# Altium PCB Gateway.PcbDoc (part 2 of 2)
Units mm, origin at the board's own origin, x right, y up, seen from the top; angles counter-clockwise.
Board outline 100.58 x 76.07 mm, 2 copper layers (Top Layer, Bottom Layer); 109 components, 95 nets, 478 pads, 157 vias.
Unrouted connection lines stored in the file: 31.
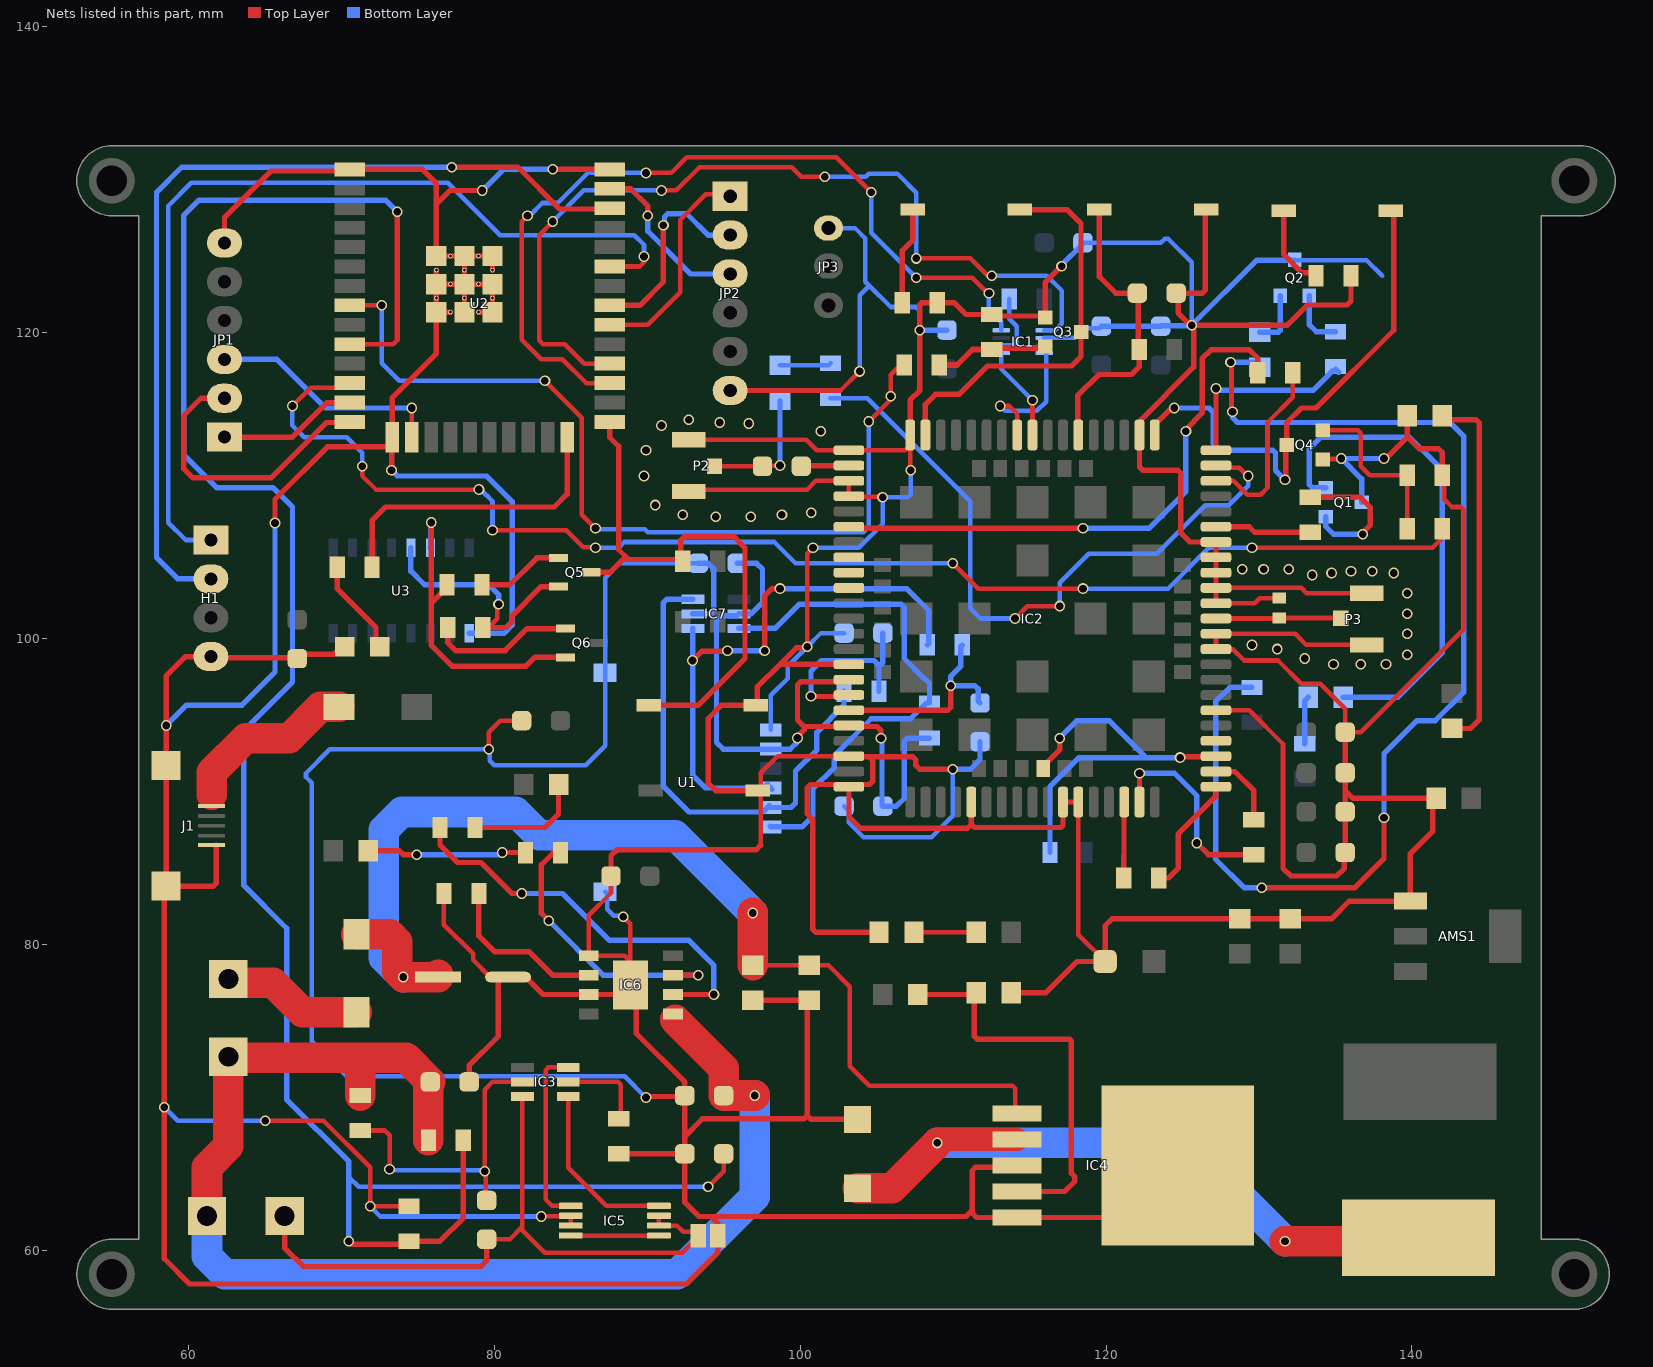
[diagram p2: the nets of this part, all layers, seen from the top]

## Via types
v1: diameter 0.7, hole 0.5, Top Layer to Bottom Layer, 157 vias

## Nets (pads, with @x,y where several pads share a name; then routed paths per layer and width w, separated by ;. In a path a pad name is that pad's centre, name@x,y a point inside that pad or via, vN(x,y) a via of type N, cw(c..) or ccw(c..) an arc to the next point about the centre after c; other vN are vias at no path point) (continued)
GND: AMS1.1 BOOT1.2 C1.1 C2.1 C3.1 C4.1 C5.1 C6.1 C7.1 C9.1 C10.2 C11.2 C12.2 C13.2 C14.2 C15.2 C16.2 C18.1 C19.1 C20.1 C24.1 C25.1 C26.2 C27.2 C28.2 C29.1 C30.2 C31.1 D3.1 EN1.2 H1.4 IC1.2 IC2.2 IC2.17 IC2.18 IC2.29 IC2.39 IC2.45 IC2.46 IC2.54 IC2.58 IC2.59 IC2.61 IC2.62 IC2.63 IC2.64 IC2.65 IC2.89 IC2.91 IC2.92 IC2.94 IC4.3 IC4.5 IC4.6 IC5.6 IC5.7 IC6.1 IC6.3 IC7.2 J1.5 J3.2 JP1.6 JP2.6 JP3.3 L.2 LED1.2 P2.2 P2.3 P3.2 P3.3 PW1.2 PW2.2 Q1.2 Q2.2 Q3.1 Q4.1 R11.1 R12.1 R13.1 R14.1 R26.1 R27.2 R29.1 R33.2 SW2.2 U1.5 U1.8 U2.1 U2.15 U2.38 U2.39_1 U2.39_2 U2.39_3 U2.39_4 U2.39_5 U2.39_6 U2.39_7 U2.39_8 U2.39_9 U2.39_10 U2.39_11 U2.39_12 U2.39_13 U2.39_14 U2.39_15 U2.39_16 U2.39_17 U2.39_18 U2.39_19 U2.39_20 U2.39_21 U3.1 | length 914.7
  Top Layer w0.3: v1(65.024,68.453) 68.834,68.453 71.882,65.405 v1(71.882,62.865) R29.1@74.422,62.865 ; R33.2@76.708,83.312 76.708,81.28 78.613,79.375 78.613,78.968 79.73,77.851 80.084,77.851 C16.2@80.899,77.851 ; v1(79.629,92.749) 79.629,93.853 80.391,94.615 C13.2@81.788,94.615 ; v1(83.071,62.195) 83.096,62.22 84.979,62.22 IC5.6@85.004,62.245 IC5.7@85.004,61.595 ; C28.2@87.63,84.455 87.63,83.344 86.175,81.889 IC6.1@86.175,79.248 88.519,79.248 IC6.3@88.9,78.867 ; v1(88.441,81.788) 88.9,81.329 IC6.3@88.9,78.867 ; IC6.3@88.9,77.343 IC6.3@88.9,78.867 ; v1(89.916,69.977) 89.98,70.04 92.392,70.04 C29.1@92.456,70.104 ; P2.3@92.705,112.989 100.399,112.989 101.092,112.296 IC2.89@103.19,112.296 ; P2.2@92.71,109.601 92.837,109.728 100.457,109.728 101.025,110.296 IC2.91@103.19,110.296 IC2.18@103.19,109.296 103.228,109.258 105.352,109.258 v1(105.39,109.22) ; JP2.6@95.425,116.205 102.638,116.205 v1(103.886,117.453) ; 97.412,86.474 97.431,86.474 97.431,89.838 EN1.2@97.226,90.043 97.431,90.248 97.431,91.208 98.519,92.296 IC2.92@103.19,92.296 ; v1@100.39,99.374 v1(100.457,99.441) 100.457,105.537 v1(100.838,105.918) ; IC2.89@103.056,112.43 IC2.89@103.19,112.296 ; v1(107.229,110.998) 107.209,111.017 107.209,113.253 107.178,113.284 107.178,112.606 106.868,112.296 IC2.89@103.19,112.296 ; IC2.46@118.19,89.296 118.19,80.616 C15.2@119.939,78.867 ; IC2.54@127.19,95.296 129.367,95.296 131.572,93.091 131.572,91.408 ; IC2.61@127.19,102.296 129.728,102.296 130.063,102.631 L.2@131.318,102.631 ; IC2.62@127.19,103.296 132.767,103.296 133.109,102.954 P3.2@137.036,102.954 ; IC2.63@127.19,104.296 IC2.63@127.269,104.217 ; P3.3@137.041,99.566 133.096,99.566 132.366,100.296 IC2.59@127.19,100.296 IC2.58@127.19,99.296 128.288,99.296 129.032,98.552 131.246,98.552 132.77,97.028 134.015,97.028 135.636,95.407 C3.1@135.636,93.868 136.667,93.868 143.383,100.584 143.383,108.409 143.207,108.585 142.621,108.585 142.113,109.093 142.113,110.539 R12.1@141.986,110.666
  Top Layer w0.35: J1.5@58.848,83.781 61.611,83.781 61.816,83.986 J1.5@61.816,86.461 ; JP1.6@62.357,125.857 62.859,125.857 62.357,126.359 62.357,127.508 65.405,130.556 70.443,130.556 U2.1@70.548,130.661 75.293,130.661 76.213,129.742 76.213,128.397 ; v1(65.659,107.542) 65.659,109.093 69.088,112.522 72.704,112.522 72.711,112.53 73.058,112.53 U2.15@73.306,112.778 ; LED1.2@69.977,99.428 69.517,98.968 67.487,98.968 67.183,98.664 67.112,98.735 61.539,98.735 H1.4@61.468,98.806 59.817,98.806 58.547,97.536 v1(58.547,94.296) J1.5@58.547,91.694 J1.5@58.547,83.794 58.42,83.667 v1(58.42,69.342) 58.42,59.436 60.071,57.785 92.568,57.785 94.615,59.832 J3.2@94.615,60.945 94.615,61.749 94.169,62.195 ; v1(73.279,110.998) 73.306,111.025 U2.15@73.306,112.778 ; U2.39_12@76.213,124.079 U2.39_4@76.213,123.161 ; U2.39_20@77.131,121.326 U2.39_7@76.213,121.326 ; U2.39_8@78.048,121.326 U2.39_18@78.048,122.244 U2.39_5@78.048,123.161 ; C18.1@78.359,70.993 78.359,72.078 80.264,73.983 80.264,77.671 C16.2@80.084,77.851 ; U2.39_21@78.966,121.326 U2.39_9@79.883,121.326 U2.39_19@79.883,122.244 U2.39_6@79.883,123.161 U2.39_16@78.966,123.161 U2.39_5@78.048,123.161 ; v1(79.216,129.286) 77.102,129.286 76.213,128.397 ; U2.39_14@79.883,124.079 U2.39_3@79.883,124.996 U2.39_11@78.966,124.996 U2.39_2@78.048,124.996 ; C16.2@80.899,77.851 82.049,77.851 83.192,76.708 IC6.3@86.175,76.708 88.265,76.708 IC6.3@88.9,77.343 89.281,76.962 89.281,74.168 92.456,70.993 C29.1@92.456,70.104 92.456,67.437 ; v1(83.82,130.661) U2.38@87.548,130.661 ; C28.2@87.63,84.455 87.63,85.786 88.011,86.167 97.106,86.167 97.412,86.474 ; R27.2@88.138,66.294 C24.1@92.456,66.294 ; P2.2@92.705,109.606 P2.2@92.71,109.601 ; C19.1@96.901,76.327 C20.1@100.584,76.327 100.457,76.2 100.457,68.798 ; EN1.2@97.226,90.043 94.488,90.043 93.98,90.551 93.98,94.742 94.869,95.631 BOOT1.2@97.099,95.631 97.184,95.631 97.184,96.803 98.677,98.296 ; v1@100.39,99.374 99.755,99.374 98.677,98.296 ; 102.551,62.195 94.169,62.195 ; 102.581,62.195 110.836,62.195 111.252,62.611 ; IC2.92@103.19,92.296 103.237,92.249 104.521,92.249 ; IC2.29@103.19,98.296 98.677,98.296 ; D3.1@103.759,68.544 100.711,68.544 100.457,68.798 ; PW1.2@105.156,80.772 101.046,80.772 100.818,80.999 100.818,88.167 100.472,88.513 100.472,90.233 100.677,90.438 102.78,90.438 103.056,90.162 IC2.94@103.19,90.296 ; IC2.17@107.178,113.284 IC2.17@107.19,113.296 107.19,115.572 107.823,116.205 v1(107.823,120.145) 107.823,121.817 107.941,121.935 R13.1@108.966,121.935 110.094,121.935 110.856,121.173 R11.1@112.522,121.173 112.619,121.077 115.918,121.077 Q3.1@116.015,120.98 116.015,123.254 v1(117.094,124.333) ; v1(109.982,91.44) 107.827,91.44 107.569,91.698 107.569,92.044 107.364,92.249 104.521,92.249 ; IC2.39@111.19,89.296 111.19,87.835 ; R26.1@113.792,76.835 116.075,76.835 118.107,78.867 C15.2@119.939,78.867 119.939,81.204 120.396,81.661 C25.1@128.736,81.661 C26.2@132.038,81.661 134.747,81.661 135.904,82.818 AMS1.1@139.902,82.818 139.902,85.927 141.351,87.376 141.351,89.281 C27.2@141.605,89.535 136.144,89.535 135.636,90.043 ; IC4.3@114.19,65.532 114.063,65.405 111.457,65.405 111.252,65.2 111.252,62.611 ; IC2.46@118.19,89.296 IC2.45@117.19,89.296 117.19,87.771 117.049,87.63 111.395,87.63 111.19,87.835 ; IC4.6@124.69,65.532 121.29,62.132 IC4.5@114.19,62.132 111.535,62.132 111.252,62.415 111.252,62.611 ; v1@125.73,120.269 125.73,117.729 122.19,114.189 IC2.2@122.19,113.296 122.19,111.203 122.395,110.998 124.683,110.998 124.888,110.793 124.888,106.887 125.479,106.296 IC2.65@127.19,106.296 IC2.64@127.19,105.296 IC2.63@127.19,104.296 IC2.62@127.19,103.296 IC2.61@127.19,102.296 ; SW2.2@126.563,128.031 126.492,127.96 126.492,122.775 126.287,122.57 C9.1@124.587,122.57 124.714,122.443 124.714,121.285 125.563,120.436 v1(125.603,120.475) 131.864,120.475 133.182,121.793 135.763,121.793 136.017,122.047 R14.1@136.017,123.698 ; 131.572,91.408 131.572,84.963 132.08,84.455 135.076,84.455 135.584,84.963 135.584,85.942 C5.1@135.636,85.994 C4.1@135.636,88.661 135.636,90.043 ; Q4.1@134.159,111.699 134.19,111.729 135.351,111.729 v1(135.382,111.76) ; C3.1@135.636,93.868 C2.1@135.636,91.201 135.636,90.043 ; P3.3@136.771,99.836 P3.3@137.041,99.566 ; P3.2@137.036,102.954 P3.2@137.091,102.899 ; v1(138.176,111.76) 138.303,111.76 139.7,113.157 ; PW2.2@139.7,114.554 139.7,113.157 ; R12.1@141.986,110.666 141.986,112.141 141.732,112.395 140.462,112.395 139.7,113.157 ; U2.15@73.306,112.778 73.333,112.805 U2.15@73.333,113.151 73.333,115.751 76.213,118.631 U2.39_7@76.213,121.326 ; U2.39_7@76.213,121.326 U2.39_17@76.213,122.244 U2.39_4@76.213,123.161 ; U2.39_4@76.213,123.161 U2.39_15@77.131,123.161 U2.39_5@78.048,123.161 ; 76.213,128.397 U2.39_1@76.213,124.996 U2.39_10@77.131,124.996 U2.39_2@78.048,124.996 ; U2.39_5@78.048,123.161 U2.39_13@78.048,124.079 U2.39_2@78.048,124.996 ; C24.1@92.456,66.294 92.456,67.437 ; C24.1@92.456,66.294 92.456,63.119 93.38,62.195 94.169,62.195 ; 92.456,67.437 93.599,68.58 100.239,68.58 100.457,68.798 ; IC2.94@103.19,90.296 103.19,88.326 103.935,87.581 110.936,87.581 111.19,87.835 ; IC2.94@103.19,90.296 103.333,90.438 104.535,90.438 104.757,90.66 104.757,92.013 104.521,92.249
  Bottom Layer w0.3: v1(58.42,69.342) 59.309,68.453 v1(65.024,68.453) ; v1(71.882,62.865) 72.552,62.195 v1(83.071,62.195) ; U1.8@87.249,83.439 87.376,83.312 87.376,82.296 87.807,81.865 88.364,81.865 v1(88.441,81.788) ; v1(89.916,69.977) 88.519,71.374 70.358,71.374 68.072,73.66 68.072,90.551 67.688,90.935 67.688,91.183 69.254,92.749 v1(79.629,92.749) 79.706,92.672 79.706,91.998 80.01,91.694 85.979,91.694 87.249,92.964 U1.8@87.249,97.739 87.249,103.963 88.188,104.902 C30.2@93.345,104.902 ; U1.5@98.079,94.019 98.079,96.266 99.187,97.374 99.187,98.171 v1(100.457,99.441) 101.361,100.345 C12.2@102.87,100.345 ; v1(100.838,105.918) 103.831,105.918 105.39,107.477 v1(105.39,109.22) 107.053,109.22 107.229,109.396 v1(107.229,110.998) ; JP3.3@101.854,126.826 103.585,126.826 104.267,126.144 104.267,123.317 104.521,123.063 ; C11.2@102.87,89.027 103.193,88.704 103.193,87.942 104.14,86.995 108.585,86.995 109.982,88.392 v1(109.982,91.44) ; v1(103.886,117.453) 103.886,122.428 104.521,123.063 ; v1(107.823,120.145) 107.823,121.412 107.569,121.666 105.918,121.666 104.521,123.063 ; IC1.2@115.959,119.645 117.972,119.645 118.612,120.285 119.571,120.285 C31.1@119.697,120.411 ; C6.1@118.491,125.872 123.586,125.872 123.828,126.114 124.076,126.114 125.603,124.587 v1(125.603,120.475) ; Q2.2@132.302,124.714 137.033,124.714 138.049,123.698 ; v1(135.382,111.76) v1(138.176,111.76)
  Bottom Layer w0.35: v1(58.547,94.296) 59.882,95.631 63.5,95.631 65.659,97.79 v1(65.659,107.542) ; v1(73.279,110.998) 73.66,110.617 79.496,110.617 81.168,108.945 81.168,100.853 80.639,100.324 U3.1@78.359,100.324 ; v1(79.216,129.286) 80.591,130.661 v1(83.82,130.661) ; IC7.2@92.988,101.6 94.156,101.6 94.361,101.805 94.361,104.521 93.98,104.902 C30.2@93.345,104.902 ; v1(107.823,120.145) 107.829,120.151 109.595,120.151 C1.1@109.601,120.157 ; v1(109.982,91.44) 111.125,91.44 111.758,92.073 111.758,93.231 C10.2@111.76,93.233 ; v1(117.094,124.333) 117.094,124.404 118.491,125.801 C6.1@118.491,125.872 ; C31.1@119.697,120.411 C7.1@123.571,120.411 123.603,120.443 125.571,120.443 v1(125.603,120.475) 129.842,124.714 Q2.2@132.302,124.714 ; v1(135.382,111.76) 136.716,110.426 Q1.2@136.716,108.9
  other v1: 134.874,98.298 136.652,98.296 138.303,98.298 132.984,98.679 139.7,98.933 131.191,99.296 129.54,99.566 139.7,100.296 139.7,101.6 139.7,102.954 133.477,104.14 134.747,104.267 138.811,104.267 136.017,104.394 137.414,104.394 128.905,104.521 130.302,104.521 131.953,104.521 94.488,107.95 96.774,107.95 92.329,108.077 98.806,108.077 100.723,108.204 90.522,108.712 89.789,110.617 89.916,112.296 101.346,113.538 90.932,113.919 96.647,114.046 94.742,114.108 92.71,114.3
IO2: R20.1 U2.24 | length 20.2
  Top Layer w0.35: R20.1@72.009,104.648 72.009,107.696 72.898,108.585 83.92,108.585 84.763,109.428 U2.24@84.763,113.151
IO_0: BOOT1.1 Q5.3 R18.2 U2.25 | length 36.6
  Top Layer w0.35: Q5.3@86.335,104.318 87.577,104.318 88.416,105.156 88.773,105.156 ; U2.25@87.548,114.151 87.548,113.139 88.138,112.549 88.138,105.791 88.773,105.156 ; BOOT1.1@90.099,95.631 93.345,95.631 96.393,98.679 96.393,105.918 95.631,106.68 92.456,106.68 92.202,106.426 R18.2@92.202,105.156 ; R18.2@92.329,105.029 R18.2@92.202,105.156 ; 88.773,105.156 R18.2@92.202,105.156
LOG_RX: IC2.22
LOG_TX: IC2.23
MISO: JP2.2 U2.31 | length 13.4
  Top Layer w0.35: U2.31@87.548,121.771 89.513,121.771 91.059,123.317 v1(91.059,127)
  Bottom Layer w0.35: v1(91.059,127) 91.126,127.067 91.126,127.557 91.331,127.762 92.583,127.762 93.98,126.365 JP2.2@95.425,126.365
MISO2: JP1.2 U2.14 | length 19.2
  Top Layer w0.35: JP1.2@62.357,115.697 60.833,115.697 59.69,114.554 59.69,111.096 60.296,110.49 65.405,110.49 69.023,114.108 70.505,114.108 U2.14@70.548,114.151
MOSI: JP2.3 U2.37 | length 11.1
  Top Layer w0.35: U2.37@87.548,129.391 88.922,129.391 90.043,128.27 v1(90.043,127.635)
  Bottom Layer w0.35: v1(90.043,127.635) 90.043,126.619 92.837,123.825 JP2.3@95.425,123.825
MOSI2: JP1.3 U2.16 | length 15.5
  Top Layer w0.3: U2.16@74.603,113.151 v1(74.603,115.062)
  Top Layer w0.35: U2.16@74.603,113.151 U2.16@74.64,113.188
  Bottom Layer w0.35: JP1.3@62.357,118.237 65.786,118.237 68.961,115.062 v1(74.603,115.062)
NET: IC2.52
NetC8_1: C8.1 IC2.90 | length 3.1
  Top Layer w0.35: C8.1@100.076,111.252 100.098,111.274 103.168,111.274 IC2.90@103.19,111.296
NetC8_2: C8.2 L1.1 P2.1 | length 8.6
  Top Layer w0.3: P2.1@94.398,111.249 94.401,111.252 C8.2@97.536,111.252 97.558,111.274 98.657,111.274 v1(98.679,111.296)
  Bottom Layer w0.3: v1(98.679,111.296) L1.1@98.679,115.57
NetC9_2: C9.2 IC2.6 R9.1 SW2.1 | length 19.6
  Top Layer w0.35: IC2.6@118.19,113.296 118.147,113.339 118.147,115.87 119.531,117.254 121.666,117.254 122.174,117.762 R9.1@122.174,118.887 122.111,118.951 122.111,122.507 C9.2@122.047,122.57 120.635,122.57 119.563,123.642 SW2.1@119.563,128.031
NetC16_1: C16.1 C19.2 C20.2 D5.2 IC4.1 | length 74
  Top Layer w0.3: C19.2@96.901,78.613 C20.2@100.584,78.613 100.587,78.616 101.851,78.616 103.237,77.23 103.237,72.023 104.521,70.739 113.887,70.739 114.063,70.563 114.063,69.059 IC4.1@114.19,68.932
  Top Layer w2: D5.2@70.993,80.649 73.173,80.649 73.66,80.162 73.66,78.232 v1(74.041,77.851) 76.177,77.851 76.327,78.001 C16.1@76.327,77.851 ; C19.2@96.901,78.613 v1(96.901,82.042)
  Bottom Layer w2: v1(74.041,77.851) 72.771,79.121 72.771,87.474 73.943,88.646 81.407,88.646 82.931,87.122 91.821,87.122 v1(96.901,82.042)
NetC17_1: C17.1 IC3.6 IC5.2 IC5.3 J2.2 J3.1 | length 45.2
  Top Layer w0.3: C17.1@79.502,60.706 81.026,60.706 81.836,61.516 ; IC3.6@81.836,70.043 81.836,61.516 ; IC5.3@90.764,62.245 IC5.2@90.764,61.595 91.948,61.595 92.344,61.199 93.345,61.199 J3.1@93.345,60.945 93.345,60.579 93.061,60.579 92.299,59.817 83.312,59.817 81.836,61.293 81.836,61.516
  Top Layer w0.35: J2.2@66.294,62.23 66.294,60.149 67.515,58.928 79.121,58.928 79.502,59.309 C17.1@79.502,60.706
NetC17_2: C17.2 IC3.5 R23.1 | length 20.5
  Top Layer w0.3: R23.1@71.247,67.818 72.849,67.818 73.152,67.515 v1(73.152,65.278) ; C17.2@79.502,63.246 79.438,63.309 79.438,65.087 v1(79.375,65.151) 79.375,70.485 79.883,70.993 IC3.5@81.836,70.993
  Bottom Layer w0.3: v1(73.152,65.278) 73.215,65.215 79.311,65.215 v1(79.375,65.151)
NetC24_2: C24.2 R28.1 R29.2 U2.10 | length 142.3
  Top Layer w0.3: U2.10@70.548,119.231 73.384,119.231 73.66,119.507 ; v1(93.98,64.135) 94.996,65.151 C24.2@94.996,66.294
  Top Layer w0.35: v1(70.492,60.579) 70.679,60.392 74.235,60.392 R29.2@74.422,60.579 76.454,60.579 77.978,62.103 R28.1@77.978,67.183 ; 73.66,119.507 v1(73.66,127.889)
  Bottom Layer w0.3: 70.492,64.77 71.127,64.135 v1(93.98,64.135)
  Bottom Layer w0.35: v1(70.492,60.579) 70.492,64.77 70.492,65.779 66.421,69.85 66.421,81.042 63.627,83.836 63.627,93.98 66.802,97.155 66.802,108.585 65.532,109.855 61.849,109.855 59.69,112.014 59.69,127.635 60.706,128.651 72.898,128.651 v1(73.66,127.889)
NetD1_1: D1.1 R1.2 | length 3.1
  Bottom Layer w0.35: R1.2@132.984,93.107 132.984,95.9 D1.1@133.223,96.139
NetD1_2: D1.2 Q1.3 | length 33
  Bottom Layer w0.35: Q1.3@134.366,109.85 134.361,109.855 133.489,109.855 133.284,110.06 133.284,112.391 134.05,113.157 139.827,113.157 141.986,110.998 141.986,99.06 139.065,96.139 D1.2@135.509,96.139
NetD2_1: D2.1 R2.2 | length 77.4
  Top Layer w0.35: v1(128.143,118.056) 128.207,117.992 128.207,114.871 v1(128.27,114.808) ; v1(130.175,83.693) 136.271,83.693 138.176,85.598 v1(138.176,88.265)
  Bottom Layer w0.35: v1(128.143,118.056) 129.721,118.056 D2.1@130.048,117.729 ; v1(128.27,114.808) 128.27,114.427 128.589,114.108 142.494,114.108 143.383,113.219 143.383,96.471 141.527,94.615 140.335,94.615 138.176,92.456 v1(138.176,88.265) ; R2.2@129.54,96.79 128.094,96.79 127.169,95.865 127.169,85.556 129.032,83.693 v1(130.175,83.693)
NetD2_2: D2.2 Q2.3 | length 3.7
  Bottom Layer w0.35: D2.2@130.048,120.015 131.271,120.015 131.384,120.127 Q2.3@131.384,122.396
NetD3_2: D3.2 IC4.2 L2.1 | length 46.4
  Top Layer w1.5: v1(108.966,67.007) 109.191,67.232 IC4.2@114.19,67.232
  Top Layer w2: D3.2@103.759,64.044 106.003,64.044 v1(108.966,67.007) ; v1(131.699,60.579) 140.206,60.579 L2.1@140.444,60.817 L2.1@140.159,61.102
  Bottom Layer w2: v1(108.966,67.007) 125.271,67.007 v1(131.699,60.579)
NetD4_1: D4.1 J1.1 | length 11.9
  Top Layer w1: D4.1@69.592,95.774 D4.1@69.846,95.52
  Top Layer w2: 61.515,89.789 61.515,91.233 63.754,93.472 66.588,93.472 68.636,95.52 D4.1@69.846,95.52
NetD5_1: D5.1 J4.2 | length 9.3
  Top Layer w2: J4.2@62.611,77.724 62.861,77.474 65.528,77.474 67.441,75.561 D5.1@70.993,75.561
NetIC1_6: IC1.6 R3.1 | length 4.2
  Bottom Layer w0.3: IC1.6@113.149,119.145 114.009,119.145 114.173,119.309 114.173,120.396 113.665,120.904 R3.1@113.665,122.189
NetIC2_20: IC2.20 R34.1 | length 37.3
  Top Layer w0.35: IC2.20@103.19,107.296 103.298,107.188 v1(118.491,107.188) ; v1(125.222,113.538) 125.222,113.665 126.287,114.73 126.287,118.286 126.865,118.864 129.383,118.864 129.921,118.326 R34.1@129.921,117.363
  Bottom Layer w0.35: v1(118.491,107.188) 122.809,107.188 125.222,109.601 v1(125.222,113.538)
NetIC2_49: IC2.49 R6.2 | length 5
  Top Layer w0.35: R6.2@121.158,84.328 121.158,85.833 121.174,85.849 121.174,89.28 IC2.49@121.19,89.296
NetIC2_50: IC2.50 R5.2 | length 13.4
  Top Layer w0.35: IC2.50@122.19,89.296 v1(122.19,91.186) ; v1(125.932,86.614) 126.694,85.852 R5.2@129.667,85.852
  Bottom Layer w0.35: v1(122.19,91.186) 124.46,91.186 125.932,89.714 v1(125.932,86.614)
NetIC2_60: IC2.60 L.1 P3.1 | length 8.2
  Top Layer w0.3: IC2.60@127.221,101.265 127.252,101.296 131.253,101.296 L.1@131.315,101.358 ; L.1@131.318,101.331 135.268,101.331 P3.1@135.296,101.358
  Top Layer w0.35: P3.1@135.296,101.358 P3.1@135.348,101.306
NetIC2_95: IC2.95 R6.1 | length 7.9
  Top Layer w0.35: R6.1@123.444,84.328 124.079,84.328 124.714,84.963 124.714,87.2 127.19,89.676 IC2.95@127.19,90.296
NetIC2_96: IC2.96 R5.1 | length 4.9
  Top Layer w0.35: IC2.96@127.19,91.296 128.414,91.296 129.667,90.043 R5.1@129.667,88.138
NetIC2_97: IC2.97 IC2.116 R7.2 | length 25.5
  Top Layer w0.35: IC2.116@115.89,91.496 115.89,91.626 116.967,92.703 v1(116.967,93.472) ; v1(124.841,92.202) 124.888,92.249 127.143,92.249 IC2.97@127.19,92.296
  Bottom Layer w0.35: R7.2@116.332,85.994 116.332,90.297 118.237,92.202 122.555,92.202 ; v1(116.967,93.472) 118.11,94.615 120.204,94.615 122.555,92.264 122.555,92.202 ; v1(124.841,92.202) 122.555,92.202
NetIC2_98: IC2.98 R34.2 | length 12.1
  Top Layer w0.3: IC2.98@127.19,110.296 128.337,110.296 129.245,109.388 130.104,109.388 130.556,109.84 130.556,114.111 132.207,115.762 R34.2@132.207,117.363
NetIC2_99: IC2.99 R4.2 | length 44.9
  Top Layer w0.3: v1(114.046,101.296) 114.858,102.108 v1(116.967,102.108) ; IC2.99@127.19,111.296 127.326,111.16 128.702,111.16 129.245,110.617 v1(129.291,110.617)
  Bottom Layer w0.3: R4.2@101.981,115.697 104.394,115.697 111.125,108.966 111.125,101.955 111.784,101.296 v1(114.046,101.296) ; v1(116.967,102.108) 116.967,103.632 118.872,105.537 123.317,105.537 126.492,108.712 128.016,108.712 129.286,109.982 129.286,110.612 v1(129.291,110.617)
NetIC3_1: IC3.1 IC5.4 | length 11.6
  Top Layer w0.3: IC3.1@84.836,70.043 84.836,65.386 87.327,62.895 IC5.4@90.764,62.895
NetIC3_2: IC3.2 R27.1 | length 5.8
  Top Layer w0.3: IC3.2@84.836,70.993 88.089,70.993 88.265,70.817 88.265,68.707 R27.1@88.138,68.58
NetIC3_3: IC3.3 IC5.5 | length 11.8
  Top Layer w0.3: IC3.3@84.836,71.943 83.539,71.943 83.363,71.767 83.363,63.306 83.774,62.895 IC5.5@85.004,62.895
NetIC4_4: IC4.4 R24.1 R26.2 | length 26.2
  Top Layer w0.35: R24.1@107.696,76.708 111.379,76.708 111.379,73.992 111.584,73.787 117.599,73.787 117.729,73.657 117.729,65.021 117.962,64.788 117.962,64.498 117.296,63.832 IC4.4@114.19,63.832
NetIC5_1: IC5.1 IC5.8 | length 5.8
  Top Layer w0.3: IC5.8@85.004,60.945 IC5.1@90.764,60.945
NetIC6_2: IC6.2 R33.1 | length 11
  Top Layer w0.35: R33.1@78.994,83.312 78.994,80.544 80.036,79.502 82.296,79.502 83.82,77.978 IC6.2@86.175,77.978
NetIC6_6: IC6.6 R32.2 | length 26.9
  Top Layer w0.35: R32.2@76.454,87.63 76.454,86.487 77.597,85.344 79.121,85.344 81.153,83.312 v1(81.788,83.312) ; IC6.6@91.675,76.708 v1(94.361,76.708)
  Bottom Layer w0.35: v1(81.788,83.312) 84.455,83.312 87.503,80.264 92.71,80.264 94.361,78.613 v1(94.361,76.708)
NetIC6_7: IC6.7 R31.2 | length 18.4
  Top Layer w0.35: v1(83.566,81.534) 83.071,82.029 83.071,85.192 83.858,85.979 R31.2@84.328,85.979 ; IC6.7@91.675,77.978 v1(93.345,77.978)
  Bottom Layer w0.35: v1(83.566,81.534) 87.122,77.978 v1(93.345,77.978)
NetIC7_1: IC7.1 R16.2 U1.2 | length 37.7
  Top Layer w0.35: v1(92.964,98.552) 93.561,99.149 95.212,99.149 v1(95.25,99.187) ; v1(97.674,99.196) 97.674,102.754 98.171,103.251 v1(98.679,103.251)
  Bottom Layer w0.35: IC7.1@92.988,100.65 92.988,91.035 93.814,90.209 97.603,90.209 97.841,90.447 U1.2@98.079,90.209 U1.2@98.155,90.133 ; v1(95.25,99.187) 95.254,99.191 97.669,99.191 v1(97.674,99.196) ; v1(98.679,103.251) 106.961,103.251 108.406,101.805 108.406,99.658 R16.2@108.316,99.568
NetIC7_3: IC7.3 R17.2 U1.7 | length 32.3
  Bottom Layer w0.35: IC7.3@92.988,102.55 91.264,102.55 91.059,102.345 91.059,90.312 92.725,88.646 97.564,88.646 97.968,89.05 U1.7@98.079,88.939 99.402,88.939 99.695,89.232 99.695,91.313 101.092,92.71 101.092,93.853 102.87,95.631 R17.2@102.87,96.535
NetIC7_6: IC7.6 R15.1 U1.3 | length 33.8
  Bottom Layer w0.35: IC7.6@95.988,100.65 98.364,100.65 99.949,102.235 106.602,102.235 106.807,102.03 106.807,98.679 108.077,97.409 108.111,97.409 108.458,97.062 R15.1@108.458,95.773 108.26,95.773 107.229,94.742 104.648,94.742 102.235,92.329 102.235,91.567 100.838,90.17 100.838,88.392 100.115,87.669 U1.3@98.079,87.669 U1.3@98.023,87.725
NetL1_2: L1.2 R4.1 | length 3.4
  Bottom Layer w0.3: L1.2@98.679,117.856 101.854,117.856 R4.1@101.981,117.983
NetLED1_1: LED1.1 R20.2 | length 6.3
  Top Layer w0.35: R20.2@69.723,104.648 69.723,103.251 72.263,100.711 LED1.1@72.263,99.428
NetLED2_2: LED2.2 R32.1 | length 7.7
  Top Layer w0.35: R32.1@78.74,87.63 83.312,87.63 84.201,88.519 LED2.2@84.201,90.438
NetLED3_2: LED3.2 R31.1 | length 10.5
  Top Layer w0.35: LED3.2@71.755,86.106 73.802,86.106 74.055,85.853 v1(74.93,85.852) v1(74.93,85.852) ; v1(80.518,85.994) 82.027,85.994 R31.1@82.042,85.979
  Bottom Layer w0.35: v1(74.93,85.852) 80.281,85.852 80.423,85.994 v1(80.518,85.994)
NetPW1_1: PW1.1 R25.2 | length 4.1
  Top Layer w0.3: PW1.1@107.442,80.772 R25.2@111.506,80.772
NetPW2_1: PW2.1 R30.1 | length 24
  Top Layer w0.35: PW2.1@141.986,114.554 142.24,114.3 144.194,114.3 144.399,114.095 144.399,94.662 143.844,94.107 R30.1@142.621,94.107
NetQ1_1: Q1.1 R36.2 | length 9.5
  Top Layer w0.35: R36.2@133.35,109.22 136.296,109.22 136.319,109.243 136.609,109.243 137.287,108.565 137.287,107.41 136.779,106.902 v1(136.779,106.807)
  Bottom Layer w0.35: Q1.1@134.366,107.95 134.366,107.315 134.874,106.807 v1(136.779,106.807)
NetQ2_1: Q2.1 R35.2 | length 3.8
  Bottom Layer w0.35: Q2.1@133.284,122.396 133.284,120.512 133.743,120.053 R35.2@135.001,120.053
NetQ3_3: Q3.3 R8.1 R11.2 | length 7.4
  Top Layer w0.381: R8.1@109.093,117.871 110.251,117.871 111.267,118.887 R11.2@112.522,118.887 112.618,118.984 115.919,118.984 Q3.3@116.015,119.08
NetQ4_3: Q4.3 R10.1 R12.2 | length 11.5
  Top Layer w0.3: Q4.3@134.159,113.599 136.464,113.599 136.652,113.411 136.652,111.252 137.238,110.666 R12.2@139.7,110.666 R10.1@139.7,107.169
NetQ5_1: Q5.1 R21.2 | length 5.7
  Top Layer w0.35: R21.2@79.191,103.505 81.026,103.505 82.779,105.258 Q5.1@84.201,105.258
NetQ5_2: Q5.2 R22.1 U3.13 | length 16.6
  Top Layer w0.3: R22.1@79.248,100.711 79.641,100.711 80.205,101.275 80.205,102.158 v1(80.281,102.235)
  Top Layer w0.35: R22.1@79.641,100.711 80.772,100.711 81.153,101.092 81.153,101.473 83.058,103.378 Q5.2@84.201,103.378
  Bottom Layer w0.35: U3.13@74.549,105.924 74.549,104.394 75.438,103.505 79.629,103.505 80.281,102.853 v1(80.281,102.235)
NetQ6_1: Q6.1 R22.2 | length 9.5
  Top Layer w0.35: R22.2@76.962,100.711 76.962,99.695 77.461,99.196 80.708,99.196 82.147,100.635 Q6.1@84.658,100.635
NetQ6_2: Q6.2 R21.1 U3.14 | length 21
  Top Layer w0.35: v1(75.873,107.569) 75.873,102.317 75.894,102.296 ; R21.1@76.913,103.505 76.913,103.315 75.894,102.296 ; Q6.2@84.658,98.755 82.633,98.755 82.049,98.171 77.256,98.171 75.873,99.554 75.873,102.296 75.894,102.296
  Bottom Layer w0.35: v1(75.873,107.569) 75.846,107.542 75.846,105.951 U3.14@75.819,105.924 U3.14@75.882,105.86
NetR8_2: R8.2 U2.8 | length 58.2
  Top Layer w0.3: U2.8@70.548,121.771 70.78,121.539 71.013,121.771 v1(72.644,121.771) ; v1(83.311,116.84) 85.725,114.426 85.725,108.077 v1(86.614,107.188) ; v1(104.485,114.173) 105.841,115.529 105.841,115.747 v1(105.918,115.824) 105.918,117.236 106.68,117.998 R8.2@106.807,117.871
  Bottom Layer w0.3: v1(72.644,121.771) 72.644,117.983 73.787,116.84 v1(83.311,116.84) ; v1(86.614,107.188) 86.677,107.124 89.852,107.124 90.043,106.934 104.14,106.934 104.485,107.279 v1(104.485,114.173)
NetR10_2: R10.2 U2.12 | length 89.5
  Top Layer w0.3: v1(66.802,115.189) 68.004,116.391 70.248,116.391 U2.12@70.548,116.691 ; v1(71.374,111.249) 71.374,110.617 72.263,109.728 v1(78.994,109.728) ; v1(79.883,107.061) 84.709,107.061 85.814,105.956 86.582,105.956 v1(86.614,105.924) ; v1(109.982,104.902) 111.633,103.251 v1(118.491,103.251) ; v1(129.54,105.918) 141.345,105.918 141.986,106.559 R10.2@141.986,107.169
  Bottom Layer w0.3: v1(66.802,115.189) 66.802,113.919 67.564,113.157 70.358,113.157 71.374,112.141 v1(71.374,111.249) ; v1(78.994,109.728) 79.102,109.728 79.483,109.347 79.496,109.347 79.883,108.96 v1(79.883,107.061) ; v1(86.614,105.924) 88.132,105.924 88.507,106.299 98.298,106.299 99.695,104.902 v1(109.982,104.902) ; v1(118.491,103.251) 124.054,103.251 126.72,105.918 v1(129.54,105.918)
NetR13_2: R13.2 SW1.2 | length 6.4
  Top Layer w0.35: R13.2@106.68,121.935 106.68,125.349 107.371,126.04 SW1.2@107.371,128.031
NetR14_2: R14.2 SW3.2 | length 5.7
  Top Layer w0.35: SW3.2@131.628,127.96 131.628,125.095 132.827,123.896 133.731,123.896 R14.2@133.731,123.698
POWER_ON: IC2.1 Q4.2 SW3.1 | length 34.5
  Top Layer w0.35: IC2.1@123.19,113.296 123.19,113.978 124.274,115.062 v1(124.46,115.062) ; v1(131.699,110.363) 131.754,110.418 131.754,112.594 Q4.2@131.809,112.649 131.809,114.094 132.777,115.062 133.731,115.062 138.811,120.142 138.811,127.735 SW3.1@138.713,127.833
  Bottom Layer w0.35: v1(124.46,115.062) 126.746,115.062 127,114.808 127,112.755 127.459,112.296 130.909,112.296 131.08,112.125 131.08,110.982 v1(131.699,110.363)
RESET: IC2.16 Q3.2 SW1.1 | length 26.6
  Top Layer w0.35: IC2.16@108.19,113.296 108.19,115.302 108.839,115.951 110.396,115.951 112.25,117.805 117.748,117.805 118.365,118.423 118.365,120.005 118.34,120.03 Q3.2@118.365,120.03 118.365,127.126 117.46,128.031 SW1.1@114.371,128.031
RX: IC1.8 U2.27 | length 54.9
  Top Layer w0.3: v1(82.169,127.635) 81.788,127.254 81.788,119.52 83.071,118.237 84.455,118.237 86.001,116.691 U2.27@87.548,116.691 ; v1(89.916,130.429) 91.567,130.429 92.583,131.445 102.362,131.445 v1(104.648,129.159) ; v1(107.59,123.571) 111.252,123.571 112.268,122.555 v1(112.343,122.555)
  Bottom Layer w0.3: v1(82.169,127.635) 82.309,127.635 83.136,128.462 84.139,128.462 86.106,130.429 v1(89.916,130.429) ; v1(104.648,129.159) 104.648,126.513 v1(107.59,123.571) ; v1(112.343,122.555) 112.343,121.464 113.149,120.658 IC1.8@113.149,120.145
SCK: JP2.1 U2.30 | length 14.2
  Top Layer w0.3: U2.30@87.548,120.501 90.021,120.501 92.151,122.631 92.151,127.352 93.832,129.032 95.298,129.032 JP2.1@95.425,128.905
SCK2: JP1.1 U2.13 | length 9.1
  Top Layer w0.35: JP1.1@62.357,113.157 66.802,113.157 69.066,115.421 U2.13@70.548,115.421
SCL: H1.2 U2.36 | length 59.6
  Top Layer w0.35: v1(77.216,130.81) 81.534,130.81 84.275,128.069 87.601,128.069 U2.36@87.548,128.121
  Bottom Layer w0.35: H1.2@61.468,103.886 59.309,103.886 57.912,105.283 57.912,129.159 59.563,130.81 v1(77.216,130.81)
SDA: H1.1 U2.33 | length 60.8
  Top Layer w0.3: U2.33@87.654,124.206 U2.33@87.548,124.311 89.513,124.311 89.789,124.587 v1(89.789,124.968)
  Bottom Layer w0.3: H1.1@61.468,106.426 59.817,106.426 58.674,107.569 58.674,128.27 60.198,129.794 76.962,129.794 80.391,126.365 89.154,126.365 89.789,125.73 v1@89.789,125.222
SIM_PPS: IC2.100 R35.1 | length 12.7
  Top Layer w0.35: IC2.100@127.19,112.296 v1(127.19,116.334)
  Bottom Layer w0.35: v1(127.19,116.334) 127.285,116.334 127.408,116.211 133.539,116.211 134.803,117.475 R35.1@135.001,117.475 ; R35.1@135.001,117.602 R35.1@135.206,117.397
SIM_RX: IC1.4 IC2.10 | length 9.2
  Top Layer w0.3: v1(113.09,115.189) 113.665,115.189 114.19,114.664 IC2.10@114.19,113.296
  Bottom Layer w0.3: v1(113.09,115.189) 113.409,114.87 115.48,114.87 116.078,115.468 IC1.4@116.078,118.618
SIM_TX: IC1.5 IC2.9 | length 6.2
  Top Layer w0.3: IC2.9@115.19,113.296 v1(115.19,115.57)
  Bottom Layer w0.3: IC1.5@113.149,118.645 113.149,117.611 v1(115.19,115.57)
STATUS: IC2.66 R36.1 | length 6.3
  Top Layer w0.35: IC2.66@127.19,107.296 129.356,107.296 129.718,106.934 R36.1@133.35,106.934
TX: IC1.1 U2.28 | length 57.5
  Top Layer w0.3: v1(83.82,127.254) 82.931,126.365 82.931,119.485 83.185,119.231 84.604,119.231 85.874,117.961 U2.28@87.548,117.961 ; v1(90.932,129.286) 91.893,129.286 93.417,130.81 99.441,130.81 100.076,130.175 v1(101.6,130.175) ; v1@107.696,124.841 111.125,124.841 112.268,123.698 v1(112.522,123.698)
  Bottom Layer w0.3: v1(83.82,127.254) 85.852,129.286 v1(90.932,129.286) ; v1(101.6,130.175) 104.293,130.175 104.485,130.367 106.361,130.367 107.59,129.138 v1(107.59,124.841) ; v1(112.522,123.698) 116.135,123.698 117.094,122.739 117.094,120.565 116.675,120.145 IC1.1@115.959,120.145
U_SIM: C11.1 C30.1 IC2.30 IC2.33 IC7.5 R15.2 U1.1 | length 45.9
  Top Layer w0.35: v1(99.823,93.487) 99.823,93.582 100.26,94.019 100.26,94.234 ; IC2.30@103.19,97.296 103.049,97.155 100.027,97.155 99.822,96.95 99.822,94.672 100.26,94.234 ; v1(105.283,93.472) 105.283,93.98 105.029,94.234 103.252,94.234 IC2.33@103.19,94.296 103.128,94.234 100.26,94.234
  Bottom Layer w0.35: C30.1@95.885,104.902 97.155,104.902 97.536,104.521 97.536,102.34 96.796,101.6 IC7.5@95.988,101.6 95.863,101.475 94.871,101.475 94.525,101.129 94.525,93.197 94.973,92.749 U1.1@98.079,92.749 ; U1.1@98.157,92.749 99.353,92.749 99.823,93.219 v1(99.823,93.487) ; v1(105.283,93.472) 105.346,93.408 105.346,89.09 C11.1@105.41,89.027 106.299,89.027 106.807,89.535 106.807,93.267 107.012,93.472 108.443,93.472 R15.2@108.458,93.487
USIM_CLK: C10.1 IC2.32 R16.1 | length 14
  Top Layer w0.35: IC2.32@103.19,95.296 109.65,95.296 109.855,95.501 v1(109.855,96.901)
  Bottom Layer w0.35: R16.1@110.602,99.568 110.49,99.456 110.49,98.171 109.855,97.536 v1(109.855,96.901) 111.428,96.901 111.633,96.696 111.633,95.9 C10.1@111.76,95.773
USIM_DATA: C12.1 IC2.31 R17.1 | length 13
  Top Layer w0.35: v1(100.711,96.205) 100.723,96.193 103.087,96.193 IC2.31@103.19,96.296
  Bottom Layer w0.35: v1(100.711,96.205) 100.711,97.857 101.406,98.552 104.824,98.552 105.029,98.347 105.029,98.298 105.156,98.171 ; R17.1@105.156,96.535 105.156,98.171 ; C12.1@105.41,100.345 105.41,98.425 105.156,98.171
VBAT: C18.2 C29.2 IC6.5 J2.1 J4.1 R23.2 R28.2 | length 86.5
  Top Layer w2: J2.1@61.214,62.992 61.214,65.405 62.611,66.802 J4.1@62.611,72.644 62.67,72.585 71.12,72.585 ; R23.2@71.247,70.104 71.247,72.458 71.12,72.585 ; R28.2@75.692,67.183 75.692,70.866 C18.2@75.819,70.993 74.227,72.585 71.12,72.585 ; 91.821,75.057 94.996,71.882 C29.2@94.996,70.104 v1(97.028,70.104)
  Bottom Layer w2: J2.1@61.214,62.23 61.214,59.592 62.386,58.42 91.948,58.42 97.028,63.5 v1(97.028,70.104)
VBUS: IC2.24
pads on no net: IC2.3 IC2.4 IC2.7 IC2.8 IC2.11 IC2.12 IC2.13 IC2.14 IC2.19 IC2.21 IC2.25 IC2.26 IC2.34 IC2.35 IC2.36 IC2.37 IC2.38 IC2.40 IC2.41 IC2.42 IC2.43 IC2.44 IC2.47 IC2.48 IC2.51 IC2.53 IC2.67 IC2.68 IC2.69 IC2.70 IC2.71 IC2.72 IC2.73 IC2.74 IC2.75 IC2.76 IC2.77 IC2.78 IC2.79 IC2.80 IC2.81 IC2.82 IC2.83 IC2.84 IC2.85 IC2.86 IC2.87 IC2.88 IC2.93 IC2.101 IC2.102 IC2.103 IC2.104 IC2.105 IC2.106 IC2.107 IC2.108 IC2.109 IC2.110 IC2.111 IC2.112 IC2.113 IC2.114 IC2.115 IC2.117 IC2.118 IC2.119 IC2.120 IC2.121 IC2.122 IC2.123 IC2.124 IC3.4 IC7.4 J1.4 U1.6 U2.4 U2.5 U2.6 U2.7 U2.9 U2.17 U2.18 U2.19 U2.20 U2.21 U2.22 U2.26 U2.32 U3.7 U3.8 U3.9 U3.10 U3.11 U3.12 U3.15

## Polygon pours and split planes (outlines as drawn)
no net on Top Layer "NONET_L01_P016" (solid, pour order 16): 150.876,127.762
no net on Top Layer "NONET_L01_P014" (solid, pour order 14): 56.896,60.579
no net on Top Layer "NONET_L01_P012" (solid, pour order 12): 150.876,60.452
no net on Top Layer "NONET_L01_P010" (solid, pour order 10): 150.876,60.579
no net on Top Layer "NONET_L01_P008" (solid, pour order 8): 56.896,56.261
no net on Bottom Layer "NONET_L02_P026" (solid, pour order 26): 56.896,60.579
no net on Bottom Layer "NONET_L02_P024" (solid, pour order 24): 56.896,132.08 56.896,56.261
no net on Bottom Layer "NONET_L02_P022" (solid, pour order 22): 57.023,132.08

## Keep-outs
Keep-Out Layer:
  lines w0.254: 150.622,56.261 ccw(c150.622,58.42) 150.622,60.579 ; 150.876,56.261 54.991,56.261 cw(c54.991,58.42) 54.991,60.579 56.896,60.579 56.896,60.706 56.896,127.762 55.245,127.762 54.991,127.762 cw(c54.991,129.921) 54.991,132.08 55.245,132.08 151.003,132.08 cw(c151.003,129.921) 151.003,127.762 148.336,127.762 148.336,60.579 150.876,60.579

## Silkscreen, mask and mechanical layers (free items; w line width, h text height)
Top Overlay:
  drawing of 1603 lines, arcs and shapes, not listed

## Text inside footprints (layer, text, board x,y; h text height)
C16: Top Overlay "+" at 76.463,78.176 h0.89
U2: Mechanical 13 "ANTENNA" at 73.048,134.401 h1.78